# Altium PCB PCB.PcbDoc (part 1 of 3) (continued)
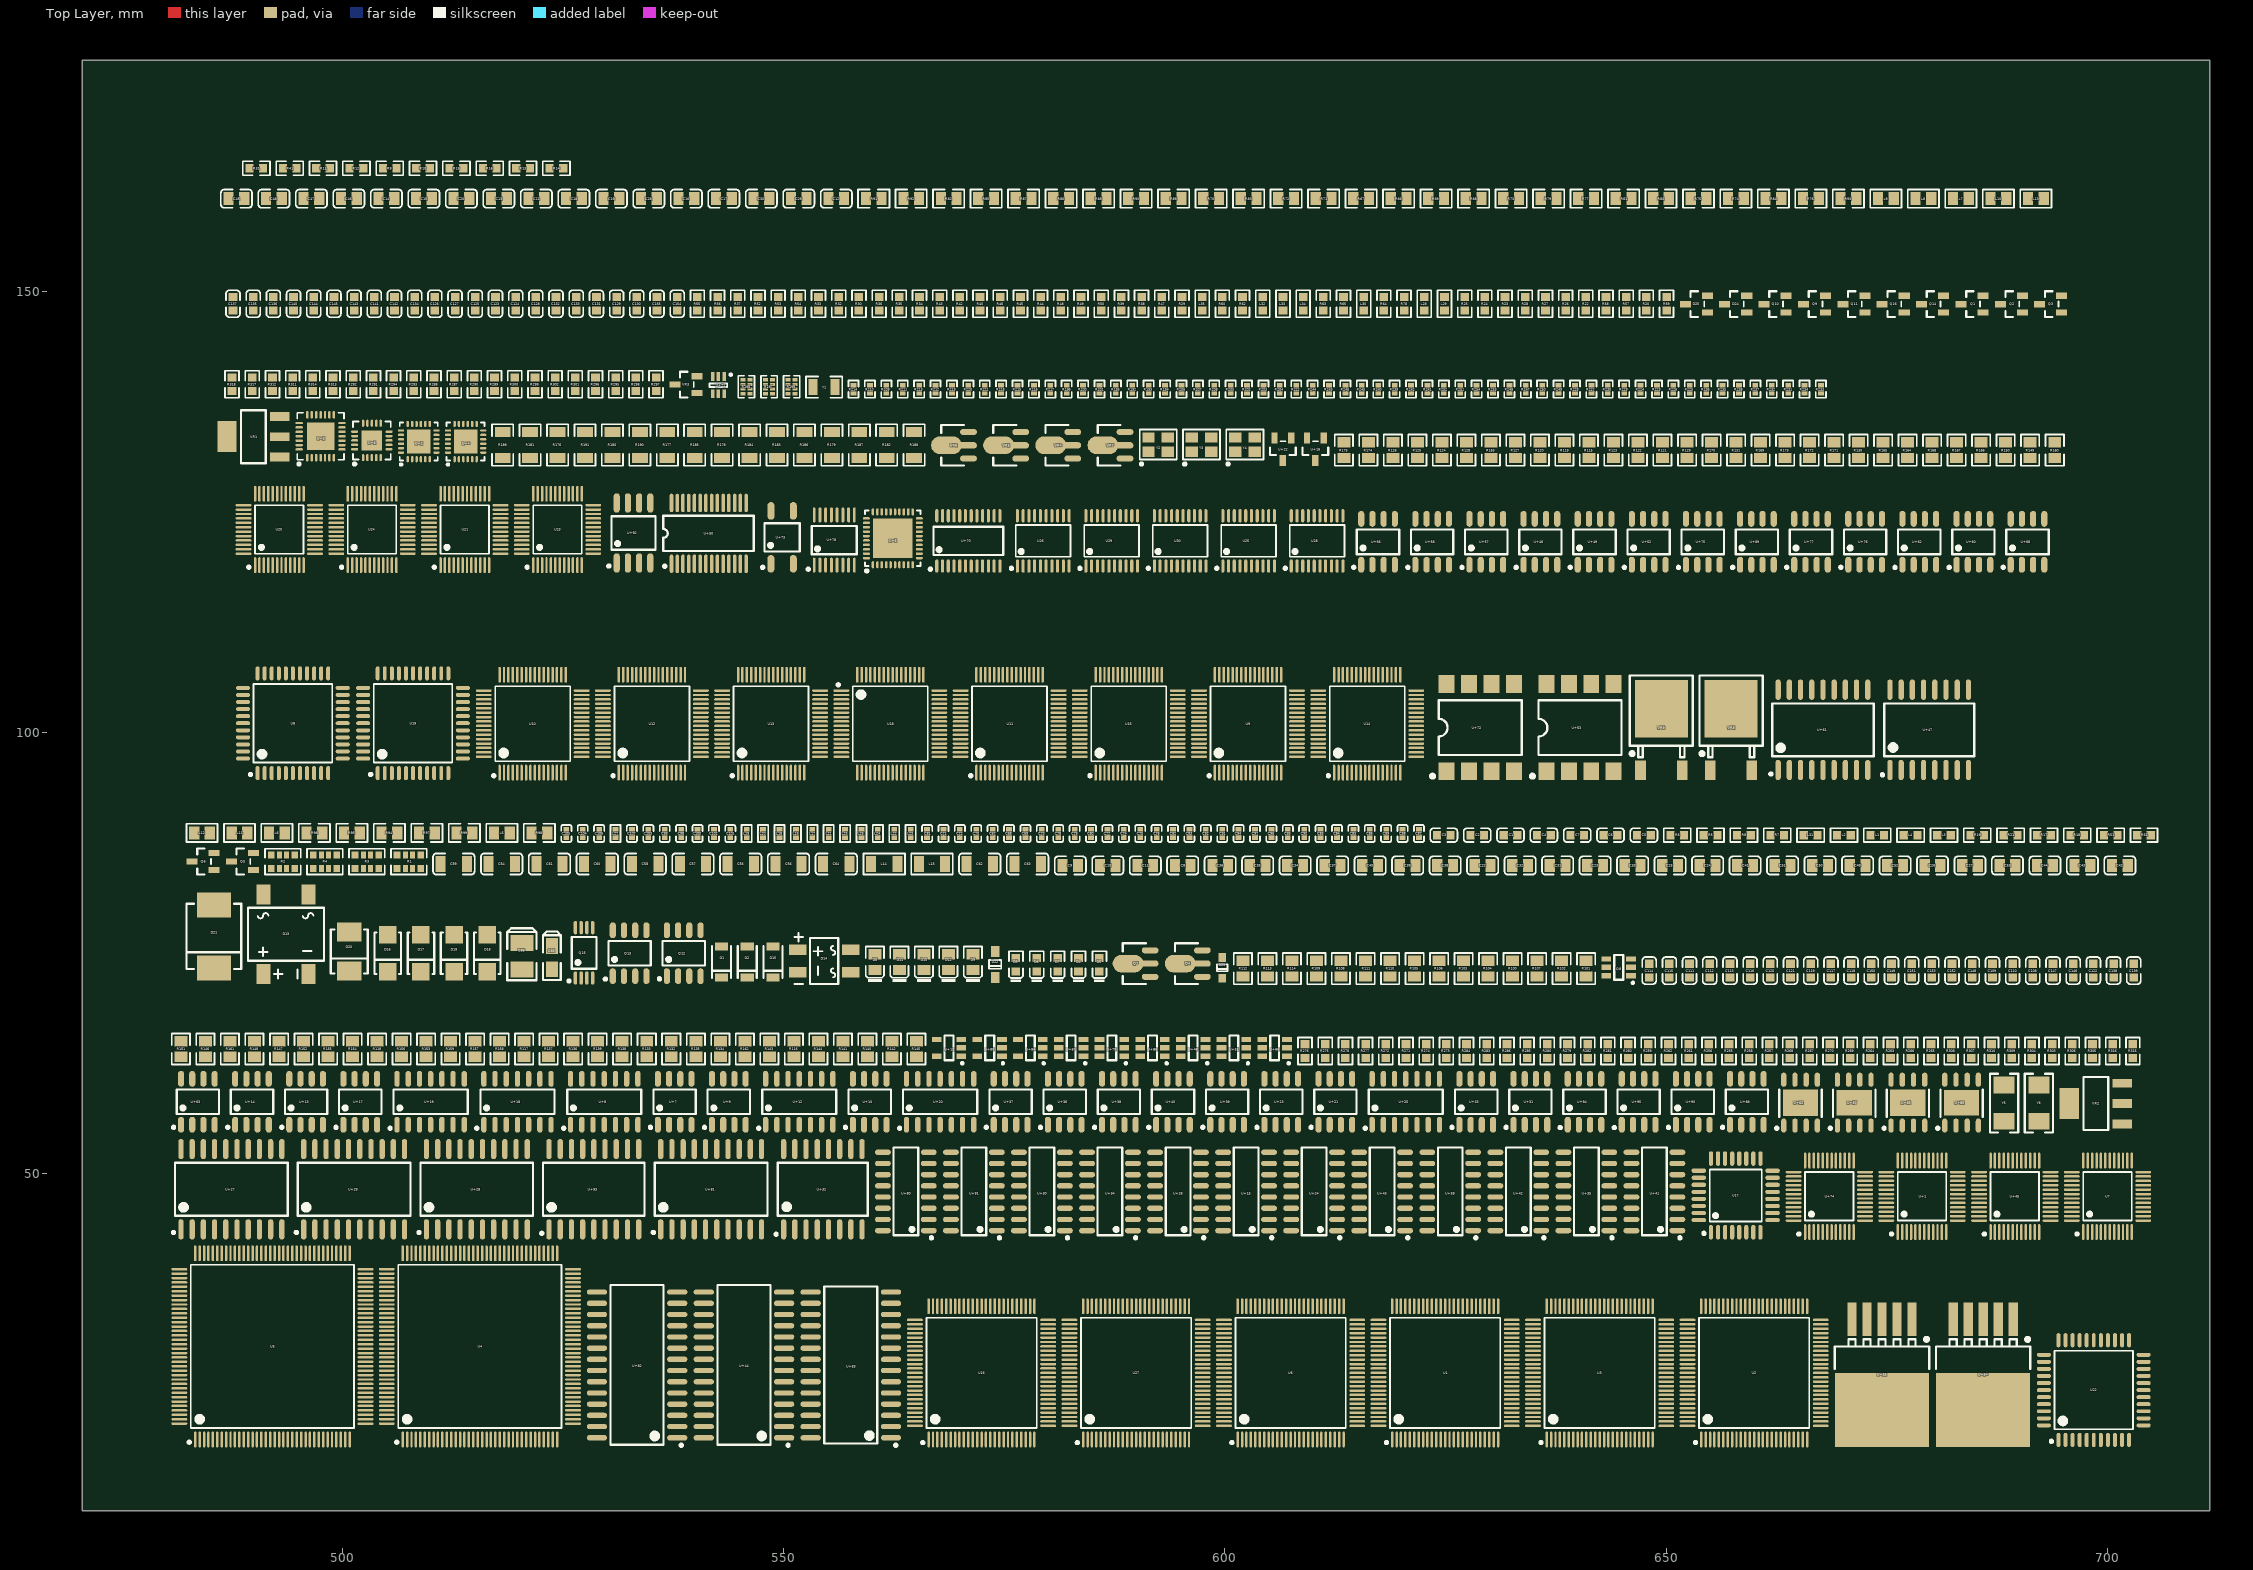
[diagram p0: Top Layer view]
## Components (designator, comment, footprint, x,y, rotation, side; value= is the part's Value field where it differs from the comment) (continued)
R56 "75KΩ (7502) ±1%" LC-0603_R 542.511,148.574 r90 top
R57 "75Ω (75R0) ±1%" LC-0603_R 645.471,148.574 r90 top
R58 "8.2KΩ (8201) ±1%" LC-0603_R 643.183,148.574 r90 top
R59 "820Ω (8200) ±1%" LC-0603_R 650.047,148.574 r90 top
R60 "82KΩ (8202) ±1%" LC-0603_R 599.711,148.574 r90 top
R61 "82Ω (82R0) ±1%" LC-0603_R 704.146,88.357 r0 top
R62 "9.1KΩ (9101) ±1%" LC-0603_R 601.999,148.574 r90 top
R63 "910Ω (9100) ±1%" LC-0603_R 611.151,148.574 r90 top
R64 "91KΩ (9102) ±1%" LC-0603_R 618.015,148.574 r90 top
R65 "91Ω (91R0) ±1%" LC-0603_R 613.439,148.574 r90 top
R66 "0Ω (0R0) ±1%" LC-0805_R 619.68,160.485 r0 top
R67 "1.2KΩ (1201) ±1%" LC-0805_R 615.432,160.485 r0 top
R68 "1.2MΩ (1204) ±1%" LC-0805_R 628.176,160.485 r0 top
R69 "1.5KΩ (1501) ±1%" LC-0805_R 623.928,160.485 r0 top
R70 "1.5MΩ (1504) ±1%" LC-0805_R 598.44,160.485 r0 top
R71 "1.8KΩ (1801) ±1%" LC-0805_R 611.184,160.485 r0 top
R72 "1.8MΩ (1804) ±1%" LC-0805_R 606.936,160.485 r0 top
R73 "100KΩ (1003) ±1%" LC-0805_R 632.424,160.485 r0 top
R74 "100Ω (1000) ±1%" LC-0805_R 657.912,160.485 r0 top
R75 "10KΩ (1002) ±1%" LC-0805_R 653.664,160.485 r0 top
R76 "10MΩ (1005) ±1%" LC-0805_R 666.408,160.485 r0 top
R77 "10Ω (10R0) ±1%" LC-0805_R 640.92,160.485 r0 top
R78 "30KΩ (3002) ±1%" LC-0603_R 620.303,148.574 r90 top
R79 "110KΩ (1103) ±1%" LC-0805_R 636.672,160.485 r0 top
R80 "11KΩ (1102) ±1%" LC-0805_R 649.416,160.485 r0 top
R81 "120KΩ (1203) ±1%" LC-0805_R 645.168,160.485 r0 top
R82 "120Ω (1200) ±1%" LC-0805_R 568.704,160.485 r0 top
R83 "12KΩ (1202) ±1%" LC-0805_R 602.688,160.485 r0 top
R84 "13KΩ (1302) ±1%" LC-0805_R 662.16,160.485 r0 top
R85 "150KΩ (1503) ±1%" LC-0805_R 572.952,160.485 r0 top
R86 "150Ω (1500) ±1%" LC-0805_R 581.448,160.485 r0 top
R87 "15KΩ (1502) ±1%" LC-0805_R 577.2,160.485 r0 top
R88 "15Ω (15R0) ±1%" LC-0805_R 585.696,160.485 r0 top
R89 "16KΩ (1602) ±1%" LC-0805_R 594.192,160.485 r0 top
R90 "180KΩ (1803) ±1%" LC-0805_R 589.944,160.485 r0 top
R91 "180Ω (1800) ±1%" LC-0805_R 560.208,160.485 r0 top
R92 "18KΩ (1802) ±1%" LC-0805_R 564.456,160.485 r0 top
R93 "1KΩ (1001) ±1%" LC-0805_R 670.656,160.485 r0 top
R94 "1MΩ (1004) ±1%" LC-0805_R 505.329,88.602 r0 top
R95 "1Ω (1R00) ±1%" LC-0805_R 501.081,88.602 r0 top
R96 "2.2KΩ (2201) ±1%" LC-0805_R 496.833,88.602 r0 top
R97 "2.2MΩ (2204) ±1%" LC-0805_R 509.577,88.602 r0 top
R98 "2.2Ω (2R20) ±1%" LC-0805_R 522.321,88.602 r0 top
R99 "2.4KΩ (2401) ±1%" LC-0805_R 513.825,88.602 r0 top
R100 "2.7KΩ (2701) ±1%" LC-0805_R 632.599,73.244 r90 top
R101 "200KΩ (2003) ±1%" LC-0805_R 640.933,73.244 r90 top
R102 "200Ω (2000) ±1%" LC-0805_R 638.155,73.244 r90 top
R103 "20KΩ (2002) ±1%" LC-0805_R 627.043,73.244 r90 top
R104 "20Ω (20R0) ±1%" LC-0805_R 629.821,73.244 r90 top
R105 "220KΩ (2203) ±1%" LC-0805_R 621.487,73.244 r90 top
R106 "220Ω (2200) ±1%" LC-0805_R 624.265,73.244 r90 top
R107 "22KΩ (2202) ±1%" LC-0805_R 635.377,73.244 r90 top
R108 "22Ω (22R0) ±1%" LC-0805_R 613.153,73.244 r90 top
R109 "240KΩ (2403) ±1%" LC-0805_R 610.375,73.244 r90 top
R110 "240Ω (2400) ±1%" LC-0805_R 618.709,73.244 r90 top
R111 "24KΩ (2402) ±1%" LC-0805_R 615.931,73.244 r90 top
R112 "270KΩ (2703) ±1%" LC-0805_R 602.041,73.244 r90 top
R113 "270Ω (2700) ±1%" LC-0805_R 604.819,73.244 r90 top
R114 "27KΩ (2702) ±1%" LC-0805_R 607.597,73.244 r90 top
R115 "27Ω (27R0) ±1%" LC-0805_R 641.25,131.979 r90 top
R116 "2KΩ (2001) ±1%" LC-0805_R 551.153,64.125 r90 top
R117 "2MΩ (2004) ±1%" LC-0805_R 520.595,64.125 r90 top
R118 "2Ω (2R00) ±1%" LC-0805_R 503.927,64.125 r90 top
R119 "3.3KΩ (3301) ±1%" LC-0805_R 638.472,131.979 r90 top
R120 "3.6KΩ (3601) ±1%" LC-0805_R 635.694,131.979 r90 top
R121 "3.9KΩ (3901) ±1%" LC-0805_R 649.584,131.979 r90 top
R122 "300KΩ (3003) ±1%" LC-0805_R 646.806,131.979 r90 top
R123 "300Ω (3000) ±1%" LC-0805_R 644.028,131.979 r90 top
R124 "330KΩ (3303) ±1%" LC-0805_R 624.582,131.979 r90 top
R125 "330Ω (3300) ±1%" LC-0805_R 621.804,131.979 r90 top
R126 "33KΩ (3302) ±1%" LC-0805_R 619.026,131.979 r90 top
R127 "33Ω (33R0) ±1%" LC-0805_R 632.916,131.979 r90 top
R128 "36KΩ (3602) ±1%" LC-0805_R 627.36,131.979 r90 top
R129 "390KΩ (3903) ±1%" LC-0805_R 652.362,131.979 r90 top
R130 "390Ω (3900) ±1%" LC-0805_R 671.808,131.979 r90 top
R131 "39KΩ (3902) ±1%" LC-0805_R 657.918,131.979 r90 top
R132 "3KΩ (3001) ±1%" LC-0805_R 537.263,64.125 r90 top
R133 "3MΩ (305) ±5%" LC-0805_R 534.485,64.125 r90 top
R134 "4.3KΩ (4301) ±1%" LC-0805_R 542.819,64.125 r90 top
R135 "4.7KΩ (4701) ±1%" LC-0805_R 540.041,64.125 r90 top
R136 "4.7MΩ (4704) ±1%" LC-0805_R 526.151,64.125 r90 top
R137 "4.7Ω (4R70) ±1%" LC-0805_R 523.373,64.125 r90 top
R138 "4.99KΩ (4991) ±1%" LC-0805_R 531.707,64.125 r90 top
R139 "40.2KΩ (4022) ±1%" LC-0805_R 528.929,64.125 r90 top
R140 "43KΩ (4302) ±1%" LC-0805_R 559.487,64.125 r90 top
R141 "470KΩ (4703) ±1%" LC-0805_R 556.709,64.125 r90 top
R142 "470Ω (4700) ±1%" LC-0805_R 562.265,64.125 r90 top
R143 "47KΩ (4702) ±1%" LC-0805_R 548.375,64.125 r90 top
R144 "47Ω (47R0) ±1%" LC-0805_R 553.931,64.125 r90 top
R145 "49.9KΩ (4992) ±1%" LC-0805_R 565.043,64.125 r90 top
R146 "49.9Ω (49R9) ±1%" LC-0805_R 484.481,64.125 r90 top
R147 "5.1KΩ (5101) ±1%" LC-0805_R 492.815,64.125 r90 top
R148 "5.1MΩ (5104) ±1%" LC-0805_R 490.037,64.125 r90 top
R149 "5.1Ω (5R10) ±1%" LC-0805_R 691.254,131.979 r90 top
R150 "5.6KΩ (5601) ±1%" LC-0805_R 688.476,131.979 r90 top
R151 "510KΩ (5103) ±1%" LC-0805_R 481.703,64.125 r90 top
R152 "510Ω (5100) ±1%" LC-0805_R 495.593,64.125 r90 top
R153 "51KΩ (5102) ±1%" LC-0805_R 509.483,64.125 r90 top
R154 "51Ω (51R0) ±1%" LC-0805_R 501.149,64.125 r90 top
R155 "560KΩ (5603) ±1%" LC-0805_R 498.371,64.125 r90 top
R156 "560Ω (5600) ±1%" LC-0805_R 506.705,64.125 r90 top
R157 "56KΩ (5602) ±1%" LC-0805_R 515.039,64.125 r90 top
R158 "56Ω (56R0) ±1%" LC-0805_R 517.817,64.125 r90 top
R159 "6.2KΩ (6201) ±1%" LC-0805_R 512.261,64.125 r90 top
R160 "6.8KΩ (6801) ±1%" LC-0805_R 694.032,131.979 r90 top
R161 "62KΩ (6202) ±1%" LC-0805_R 487.259,64.125 r90 top
R162 "680KΩ (6803) ±1%" LC-0805_R 545.597,64.125 r90 top
R163 "680Ω (6800) ±1%" LC-0805_R 630.138,131.979 r90 top
R164 "68KΩ (6802) ±1%" LC-0805_R 677.364,131.979 r90 top
R165 "68Ω (68R0) ±1%" LC-0805_R 674.586,131.979 r90 top
R166 "7.5KΩ (7501) ±1%" LC-0805_R 685.698,131.979 r90 top
R167 "750Ω (7500) ±1%" LC-0805_R 682.92,131.979 r90 top
R168 "75KΩ (7502) ±1%" LC-0805_R 680.142,131.979 r90 top
R169 "75Ω (75R0) ±1%" LC-0805_R 660.696,131.979 r90 top
R170 "8.2KΩ (8201) ±1%" LC-0805_R 655.14,131.979 r90 top
R171 "820Ω (8200) ±1%" LC-0805_R 669.03,131.979 r90 top
R172 "82KΩ (8202) ±1%" LC-0805_R 666.252,131.979 r90 top
R173 "82Ω (82R0) ±1%" LC-0805_R 663.474,131.979 r90 top
R174 "9.1KΩ (9101) ±1%" LC-0805_R 616.248,131.979 r90 top
R175 "91KΩ (9102) ±1%" LC-0805_R 613.47,131.979 r90 top
R176 "0.1Ω (R100) ±1%" LC-1206_R 524.381,132.564 r90 top
R177 "0Ω (0R0) ±1%" LC-1206_R 536.813,132.564 r90 top
R178 "1.2MΩ (1204) ±1%" LC-1206_R 543.029,132.564 r90 top
R179 "100KΩ (1003) ±1%" LC-1206_R 555.461,132.564 r90 top
R180 "100Ω (1000) ±1%" LC-1206_R 530.597,132.564 r90 top
R181 "10KΩ (1002) ±1%" LC-1206_R 521.273,132.564 r90 top
R182 "10Ω (10R0) ±1%" LC-1206_R 561.677,132.564 r90 top
R183 "180Ω (1800) ±1%" LC-1206_R 549.245,132.564 r90 top
R184 "1KΩ (1001) ±1%" LC-1206_R 546.137,132.564 r90 top
R185 "1Ω (1R00) ±1%" LC-1206_R 539.921,132.564 r90 top
R186 "20Ω (20R0) ±1%" LC-1206_R 552.353,132.564 r90 top
R187 "22Ω (22R0) ±1%" LC-1206_R 558.569,132.564 r90 top
R188 "2KΩ (2001) ±1%" LC-1206_R 564.785,132.564 r90 top
R189 "300Ω (3000) ±1%" LC-1206_R 518.165,132.564 r90 top
R190 "4.7KΩ (4701) ±1%" LC-1206_R 533.705,132.564 r90 top
R191 "750Ω (7500) ±1%" LC-1206_R 527.489,132.564 r90 top
R192 "0Ω (0R0) ±1%" LC-0402_R 589.503,138.895 r90 top
R193 "1.2KΩ (1201) ±1%" LC-0402_R 591.361,138.895 r90 top
R194 "1.5KΩ (1501) ±1%" LC-0402_R 593.219,138.895 r90 top
R195 "100KΩ (1003) ±1%" LC-0402_R 587.645,138.895 r90 top
R196 "100Ω (1000) ±1%" LC-0402_R 582.071,138.895 r90 top
R197 "10KΩ (103) ±5%" LC-0402_Rx4 548.343,139.17 r90 top
R198 "1KΩ (102) ±5%" LC-0402_Rx4 545.785,139.17 r90 top
R199 "33Ω (330) ±5%" LC-0402_Rx4 550.901,139.17 r90 top
R200 "10KΩ (1002) ±1%" LC-0402_R 583.929,138.895 r90 top
R201 "10MΩ (1005) ±1%" LC-0402_R 585.787,138.895 r90 top
R202 "10Ω (10R0) ±1%" LC-0402_R 602.509,138.895 r90 top
R203 "120KΩ (1203) ±1%" LC-0402_R 604.367,138.895 r90 top
R204 "120Ω (1200) ±1%" LC-0402_R 606.225,138.895 r90 top
R205 "12KΩ (1202) ±1%" LC-0402_R 600.651,138.895 r90 top
R206 "150KΩ (1503) ±1%" LC-0402_R 595.077,138.895 r90 top
R207 "150Ω (1500) ±1%" LC-0402_R 596.935,138.895 r90 top
R208 "15KΩ (1502) ±1%" LC-0402_R 598.793,138.895 r90 top
R209 "18KΩ (1802) ±1%" LC-0402_R 561.633,138.895 r90 top
R210 "1KΩ (1001) ±1%" LC-0402_R 559.775,138.895 r90 top
R211 "1MΩ (1004) ±1%" LC-0402_R 563.491,138.895 r90 top
R212 "1Ω (1R00) ±1%" LC-0402_R 567.207,138.895 r90 top
R213 "2.2KΩ (2201) ±1%" LC-0402_R 565.349,138.895 r90 top
R214 "2.4KΩ (2401) ±1%" LC-0402_R 557.917,138.895 r90 top
R215 "200KΩ (2003) ±1%" LC-0402_R 576.497,138.895 r90 top
R216 "200Ω (2000) ±1%" LC-0402_R 578.355,138.895 r90 top
R217 "20KΩ (2002) ±1%" LC-0402_R 580.213,138.895 r90 top
R218 "220KΩ (2203) ±1%" LC-0402_R 574.639,138.895 r90 top
R219 "220Ω (2200) ±1%" LC-0402_R 569.065,138.895 r90 top
R220 "22KΩ (2202) ±1%" LC-0402_R 570.923,138.895 r90 top
R221 "22Ω (22R0) ±1%" LC-0402_R 572.781,138.895 r90 top
R222 "24KΩ (2402) ±1%" LC-0402_R 608.083,138.895 r90 top
R223 "27KΩ (2702) ±1%" LC-0402_R 648.959,138.895 r90 top
R224 "2KΩ (2001) ±1%" LC-0402_R 647.101,138.895 r90 top
R225 "3.3KΩ (3301) ±1%" LC-0402_R 652.675,138.895 r90 top
R226 "3.9KΩ(3901) ±1%" LC-0402_R 650.817,138.895 r90 top
R227 "300KΩ (3003) ±1%" LC-0402_R 641.527,138.895 r90 top
R228 "300Ω (3000) ±1%" LC-0402_R 639.669,138.895 r90 top
R229 "330KΩ (3303) ±1%" LC-0402_R 645.243,138.895 r90 top
R230 "330Ω (3300) ±1%" LC-0402_R 643.385,138.895 r90 top
R231 "33KΩ (3302) ±1%" LC-0402_R 663.823,138.895 r90 top
R232 "33Ω (33R0) ±1%" LC-0402_R 661.965,138.895 r90 top
R233 "39KΩ (3902) ±1%" LC-0402_R 667.539,138.895 r90 top
R234 "4.7KΩ (4701) ±1%" LC-0402_R 665.681,138.895 r90 top
R235 "470KΩ (4703) ±1%" LC-0402_R 656.391,138.895 r90 top
R236 "470Ω (4700) ±1%" LC-0402_R 654.533,138.895 r90 top
R237 "47KΩ (4702) ±1%" LC-0402_R 660.107,138.895 r90 top
R238 "47Ω (47R0) ±1%" LC-0402_R 658.249,138.895 r90 top
R239 "49.9KΩ (4992) ±1%" LC-0402_R 619.231,138.895 r90 top
R240 "49.9Ω (49R9) ±1%" LC-0402_R 617.373,138.895 r90 top
R241 "5.1KΩ (5101) ±1%" LC-0402_R 622.947,138.895 r90 top
R242 "5.6KΩ (5601) ±1%" LC-0402_R 621.089,138.895 r90 top
R243 "510KΩ (5103) ±1%" LC-0402_R 611.799,138.895 r90 top
R244 "510Ω (5100) ±1%" LC-0402_R 609.941,138.895 r90 top
R245 "51KΩ (5102) ±1%" LC-0402_R 615.515,138.895 r90 top
R246 "51Ω (51R0) ±1%" LC-0402_R 613.657,138.895 r90 top
R247 "56KΩ (5602) ±1%" LC-0402_R 634.095,138.895 r90 top
R248 "6.8KΩ (6801) ±1%" LC-0402_R 632.237,138.895 r90 top
R249 "680Ω (6800) ±1%" LC-0402_R 637.811,138.895 r90 top
R250 "68KΩ (6802) ±1%" LC-0402_R 635.953,138.895 r90 top
R251 "7.5KΩ (7501) ±1%" LC-0402_R 626.663,138.895 r90 top
R252 "75KΩ (7502) ±1%" LC-0402_R 624.805,138.895 r90 top
R253 "75Ω (75R0) ±1%" LC-0402_R 630.379,138.895 r90 top
R254 "8.2KΩ (8201) ±1%" LC-0402_R 628.521,138.895 r90 top
R255 "0Ω (0R0) ±1%" LC-0603_R 657.125,63.89 r90 top
R256 "1.1KΩ (1101) ±1%" LC-0603_R 654.837,63.89 r90 top
R257 "1.2KΩ (1201) ±1%" LC-0603_R 661.701,63.89 r90 top
R258 "1.2MΩ (1204) ±1%" LC-0603_R 659.413,63.89 r90 top
R259 "1.5KΩ (1501) ±1%" LC-0603_R 647.973,63.89 r90 top
R260 "1.5MΩ (1504) ±1%" LC-0603_R 645.685,63.89 r90 top
R261 "1.8KΩ (1801) ±1%" LC-0603_R 652.549,63.89 r90 top
R262 "1.8MΩ (1804) ±1%" LC-0603_R 650.261,63.89 r90 top
R263 "100KΩ (1003) ±1%" LC-0603_R 675.429,63.89 r90 top
R264 "100Ω (1000) ±1%" LC-0603_R 673.141,63.89 r90 top
R265 "10KΩ (1002) ±1%" LC-0603_R 680.005,63.89 r90 top
R266 "10MΩ (1005) ±1%" LC-0603_R 677.717,63.89 r90 top
R267 "10Ω (10R0) ±1%" LC-0603_R 666.277,63.89 r90 top
R268 "110KΩ (1103) ±1%" LC-0603_R 663.989,63.89 r90 top
R269 "110Ω (1100) ±1%" LC-0603_R 670.853,63.89 r90 top
R270 "11KΩ (1102) ±1%" LC-0603_R 668.565,63.89 r90 top
R271 "120KΩ (1203) ±1%" LC-0603_R 620.517,63.89 r90 top
R272 "120Ω (1200) ±1%" LC-0603_R 618.229,63.89 r90 top
R273 "12KΩ (1202) ±1%" LC-0603_R 625.093,63.89 r90 top
R274 "130KΩ (1303) ±1%" LC-0603_R 622.805,63.89 r90 top
R275 "130Ω (1300) ±1%" LC-0603_R 611.365,63.89 r90 top
R276 "13KΩ (1302) ±1%" LC-0603_R 609.077,63.89 r90 top
R277 "150KΩ (1503) ±1%" LC-0603_R 615.941,63.89 r90 top
R278 "150Ω (1500) ±1%" LC-0603_R 613.653,63.89 r90 top
R279 "15KΩ (1502) ±1%" LC-0603_R 638.821,63.89 r90 top
R280 "15Ω (15R0) ±1%" LC-0603_R 636.533,63.89 r90 top
R281 "160KΩ (1603) ±1%" LC-0603_R 643.397,63.89 r90 top
R282 "160Ω (1600) ±1%" LC-0603_R 641.109,63.89 r90 top
R283 "16KΩ (1602) ±1%" LC-0603_R 629.669,63.89 r90 top
R284 "180KΩ (1803) ±1%" LC-0603_R 627.381,63.89 r90 top
R285 "180Ω (1800) ±1%" LC-0603_R 634.245,63.89 r90 top
R286 "18KΩ (1802) ±1%" LC-0603_R 631.957,63.89 r90 top
R287 "1KΩ (1001) ±1%" LC-0603_R 512.663,139.455 r90 top
R288 "1MΩ (1004) ±1%" LC-0603_R 510.375,139.455 r90 top
R289 "1Ω (1R00) ±1%" LC-0603_R 517.239,139.455 r90 top
R290 "2.2KΩ (2201) ±1%" LC-0603_R 514.951,139.455 r90 top
R291 "2.2MΩ (2204) ±1%" LC-0603_R 503.511,139.455 r90 top
R292 "2.2Ω (2R20) ±1%" LC-0603_R 501.223,139.455 r90 top
R293 "2.4KΩ (2401) ±1%" LC-0603_R 508.087,139.455 r90 top
R294 "2.7KΩ (2701) ±1%" LC-0603_R 505.799,139.455 r90 top
R295 "200KΩ (2003) ±1%" LC-0603_R 530.967,139.455 r90 top
R296 "200Ω (2000) ±1%" LC-0603_R 528.679,139.455 r90 top
R297 "20KΩ (2002) ±1%" LC-0603_R 535.543,139.455 r90 top
R298 "20Ω (20R0) ±1%" LC-0603_R 533.255,139.455 r90 top
R299 "220KΩ (2203) ±1%" LC-0603_R 521.815,139.455 r90 top
R300 "220Ω (2200) ±1%" LC-0603_R 519.527,139.455 r90 top
R301 "22KΩ (2202) ±1%" LC-0603_R 526.391,139.455 r90 top
R302 "22Ω (22R0) ±1%" LC-0603_R 524.103,139.455 r90 top
R303 "240KΩ (2403) ±1%" LC-0603_R 693.733,63.89 r90 top
R304 "240Ω (2400) ±1%" LC-0603_R 691.445,63.89 r90 top
R305 "24KΩ (2402) ±1%" LC-0603_R 698.309,63.89 r90 top
R306 "24Ω (24R0) ±1%" LC-0603_R 696.021,63.89 r90 top
R307 "270KΩ (2703) ±1%" LC-0603_R 684.581,63.89 r90 top
R308 "270Ω (2700) ±1%" LC-0603_R 682.293,63.89 r90 top
R309 "27KΩ (2702) ±1%" LC-0603_R 689.157,63.89 r90 top
R310 "27Ω (27R0) ±1%" LC-0603_R 686.869,63.89 r90 top
R311 "2KΩ (2001) ±1%" LC-0603_R 494.359,139.455 r90 top
R312 "2MΩ (2004) ±1%" LC-0603_R 492.071,139.455 r90 top
R313 "2Ω (2R00) ±1%" LC-0603_R 498.935,139.455 r90 top
R314 "3.3KΩ (3301) ±1%" LC-0603_R 496.647,139.455 r90 top
R315 "3.6KΩ (3601) ±1%" LC-0603_R 702.885,63.89 r90 top
R316 "3.9KΩ (3901) ±1%" LC-0603_R 700.597,63.89 r90 top
R317 "300KΩ (3003) ±1%" LC-0603_R 489.783,139.455 r90 top
R318 "300Ω (3000) ±1%" LC-0603_R 487.495,139.455 r90 top
U1 "STM32F103VBT6" LC-LQFP-100_14x14x05P 624.95,27.424 r0 top
U2 "STM32F103VCT6" LC-LQFP-100_14x14x05P 659.97,27.424 r0 top
U3 "STM32F103VET6" LC-LQFP-100_14x14x05P 642.46,27.424 r0 top
U4 "STM32F429ZGT6" LC-LQFP-144_20x20x05P 515.578,30.424 r0 top
U5 "STM32F103ZET6" LC-LQFP-144_20x20x05P 492.069,30.424 r0 top
U6 "STM32F107VCT6" LC-LQFP-100_14x14x05P 607.441,27.424 r0 top
U7 "STM8S105C6T6" LC-LQFP-48_7x7x05P 700.016,47.433 r0 top
U8 "STC15F2K60S2-28I-LQFP44G" LC-LQFP-44_10x10x08P 494.387,101.04 r0 top
U9 "STM8S207R8T6" LC-LQFP-64_10x10x05P 602.616,100.989 r0 top
U10 "STM32F103R8T6" LC-LQFP-64_10x10x05P 521.559,100.989 r0 top
U11 "STM32F103RBT6" LC-LQFP-64_10x10x05P 575.597,100.989 r0 top
U12 "STM32F103RCT6" LC-LQFP-64_10x10x05P 535.068,100.989 r0 top
U13 "STM32F103RET6" LC-LQFP-64_10x10x05P 548.578,100.989 r0 top
U14 "STM8L152R8T6" LC-LQFP-64_10x10x05P 616.126,100.989 r0 top
U15 "STM32F405RGT6" LC-LQFP-64_10x10x05P 589.107,100.989 r0 top
U16 "STM32F407VET6" LC-LQFP-100_14x14x05P 572.422,27.424 r0 top
U17 "STM8S105K6T6C" LC-LQFP-32_7x7x08P 657.877,47.534 r0 top
U18 "MSP430F149IPMRG4" LC-LQFP-64_10x10x05P_Q2 562.088,100.989 r0 top
U19 "STC89C52RC-40I" LC-LQFP-44_10x10x08P 507.998,101.04 r0 top
U20 "STM32F103C8T6" LC-LQFP-48_7x7x05P 492.848,122.998 r0 top
U21 "STM32F030C8T6" LC-LQFP-48_7x7x05P 513.867,122.998 r0 top
U22 "STC12C5A60S2-35I" LC-LQFP-44_10x10x08P 698.454,25.475 r0 top
U23 "STM32F103CBT6" LC-LQFP-48_7x7x05P 524.377,122.998 r0 top
U24 "STM32L151C8T6" LC-LQFP-48_7x7x05P 503.357,122.998 r0 top
U25 "STM8L101F3P6" LC-TSSOP-20 602.685,121.699 r0 top
U26 "STM32F030F4P6" LC-TSSOP-20 579.411,121.699 r0 top
U27 "STM32F407VGT6" LC-LQFP-100_14x14x05P 589.931,27.424 r0 top
U28 "STM8S103F3P6" LC-TSSOP-20 610.443,121.699 r0 top
U29 "STM8L051F3P6TR" LC-TSSOP-20 587.169,121.699 r0 top
U30 "STM8S003F3P6" LC-TSSOP-20 594.927,121.699 r0 top
U+1 "HT1621B" LC-LQFP-48_7x7x05P 678.997,47.433 r0 top
U+2 "MPU-6050" LC-QFN-24_4x4x05P 508.646,132.959 r0 top
U+3 "CP2102-GMR" LC-QFN-28_5x5x05P 497.527,133.559 r0 top
U+4 "CP2104-F03-GM" LC-QFN-24_4x4x05P 513.956,132.959 r0 top
U+5 "CC2530F256RHAT" LC-QFN-40_6x6x05P 562.368,121.998 r0 top
U+6 "NRF24L01P-R" LC-QFN-20_4x4x05P 503.337,133.084 r0 top
U+7 "LM2904DR2G" LC-SOIC-8_150mil 537.649,58.145 r0 top
U+8 "LM324DT" LC-SOIC-14_150mil 529.666,58.145 r0 top
U+9 "LM358DR2G" LC-SOIC-8_150mil 543.782,58.145 r0 top
U+10 "LM393DR2G" LC-SOIC-8_150mil 559.748,58.145 r0 top
U+11 "LMV321IDBVRG4" LC-SOT-23-5 568.738,64.255 r0 top
U+12 "LMV324IDR" LC-SOIC-14_150mil 551.765,58.145 r0 top
U+13 "MCP6002T-I/SN" LC-SOIC-8_150mil 495.884,58.145 r0 top
U+14 "NE5532DR" LC-SOIC-8_150mil 489.751,58.145 r0 top
U+15 "CH340G" LC-SOIC-16_150mil 602.399,47.983 r90 top
U+16 "PSM712-LF-T7" LC-SOT-23(SOT-23-3) 610.24,132.085 r90 top
U+17 "SN75176BDR" LC-SOIC-8_150mil 502.017,58.145 r0 top
U+18 "74HC04D" LC-SOIC-14_150mil 519.833,58.145 r0 top
U+19 "74HC08D" LC-SOIC-14_150mil 510,58.145 r0 top
U+20 "74HC14D" LC-SOIC-14_150mil 567.731,58.145 r0 top
U+21 "AD620ARZ-REEL" LC-SOIC-8_150mil 612.512,58.145 r0 top
U+22 "CJ431 0.5%431" LC-SOT-23(SOT-23-3) 606.558,132.085 r90 top
U+23 "OP07CDR" LC-SOIC-8_150mil 606.379,58.145 r0 top
U+24 "74HC138D" LC-SOIC-16_150mil 610.11,47.983 r90 top
U+25 "74HC164D" LC-SOIC-14_150mil 620.495,58.145 r0 top
U+26 "74HC165D" LC-SOIC-16_150mil 594.687,47.983 r90 top
U+27 "74HC244D" LC-SOIC-20_300mil 487.418,48.234 r0 top
U+28 "74HC245D" LC-SOIC-20_300mil 515.234,48.234 r0 top
U+29 "74HC573D" LC-SOIC-20_300mil 501.326,48.234 r0 top
U+30 "74HC595D" LC-SOIC-16_150mil 579.265,47.983 r90 top
U+31 "ACS712ELCTR-20A-T" LC-SOIC-8_150mil 634.611,58.145 r0 top
U+32 "ADM2483BRWZ" LC-SOIC-16_300mil 554.438,48.234 r0 top
U+33 "ADUM1201ARZ-RL7" LC-SOIC-8_150mil 628.478,58.145 r0 top
U+34 "AM26LS31CDRG4" LC-SOIC-16_150mil 586.976,47.983 r90 top
U+35 "AM26LS32ACDRG4" LC-SOIC-16_150mil 640.955,47.983 r90 top
U+36 "CAN/PCA82C250T/YM" LC-SOIC-8_150mil 581.847,58.145 r0 top
U+37 "CAN/SN65HVD230DR" LC-SOIC-8_150mil 575.714,58.145 r0 top
U+38 "CAN/TJA1040T/CM" LC-SOIC-8_150mil 587.98,58.145 r0 top
U+39 "CAN/TJA1050T/CM" LC-SOIC-8_150mil 600.246,58.145 r0 top
U+40 "CAN/TJA1051T/3" LC-SOIC-8_150mil 594.113,58.145 r0 top
U+41 "CD4051BM96" LC-SOIC-16_150mil 648.666,47.983 r90 top
U+42 "CD4052BM96" LC-SOIC-16_150mil 633.243,47.983 r90 top
U+43 "CD4053BM96" LC-SOIC-16_150mil 617.821,47.983 r90 top
U+44 "CH376S" LC-SOIC-28_300mil 545.5,28.323 r90 top
U+45 "DP83848CVVX" LC-LQFP-48_7x7x05P 689.507,47.433 r0 top
U+46 "DS1302Z+T&R" LC-SOIC-8_150mil 635.75,121.599 r0 top
U+47 "DS3231M+TRL" LC-SOIC-16_300mil 679.805,100.29 r0 top
U+48 "DW01+G" LC-SOT-23-6 596.405,64.255 r0 top
U+49 "EEPROM/AT24C256C-SSHL-T" LC-SOIC-8_150mil 641.883,121.599 r0 top
U+50 "FT232RL-REEL" LC-SSOP-28_208mil 541.516,122.548 r0 top
U+51 "FP6291" LC-SOT-23-6 601.016,64.255 r0 top
U+52 "ICL7660AIBAZA-T" LC-SOIC-8_150mil 648.016,121.599 r0 top
U+53 "ISO1050DUBR" LC-SMD-8_6.3mm 640.243,100.54 r0 top
U+54 "LM2576SX-5.0" LC-TO-263-5 685.917,33.525 r90 top
U+55 "LM2596SX-5.0/NOPB" LC-TO-263-5 674.455,33.525 r90 top
U+56 "LM386MX-1/NOPB" LC-SOIC-8_150mil 617.351,121.599 r0 top
U+57 "M24C02-WMN6TP" LC-SOIC-8_150mil 629.617,121.599 r0 top
U+58 "M24C64-RMN6TP" LC-SOIC-8_150mil 623.484,121.599 r0 top
U+59 "MAX232ESE" LC-SOIC-16_150mil 625.532,47.983 r90 top
U+60 "MC33063ADR2G" LC-SOIC-8_150mil 684.814,121.599 r0 top
U+61 "MCP2515-I/SO" LC-SOIC-18_300mil 667.767,100.29 r0 top
U+62 "MC34063ADR2G" LC-SOIC-8_150mil 678.681,121.599 r0 top
U+63 "MP1482DS" LC-SOIC-8_150mil 483.618,58.145 r0 top
U+64 "MP1584EN-LF-Z" LC-SOIC-8_EP_150mil 665.226,58.045 r0 top
U+65 "MP2303ADN-LF-Z" LC-SOIC-8_EP_150mil 677.392,58.045 r0 top
U+66 "MP2359DJ-LF-Z" LC-SOT-23-6 605.627,64.255 r0 top
U+67 "MP2451DT-LF-Z" LC-SOT-23-6 582.571,64.255 r0 top
U+68 "NE555DR" LC-SOIC-8_150mil 690.947,121.599 r0 top
U+69 "PCF8563T/5,518" LC-SOIC-8_150mil 660.282,121.599 r0 top
U+70 "SN74LVC4245APWRG4" LC-TSSOP-24 570.926,121.699 r0 top
U+71 "SMF05CT1G" LC-SC-70-6(SOT-363) 542.602,139.341 r90 top
U+72 "6N137S(TA)" LC-SMD-8_6.3mm 628.935,100.54 r0 top
U+73 "EL357N(B)(TA)-G" LC-SOP-4_P2.54 549.824,122.099 r90 top
U+74 "W5500" LC-LQFP-48_7x7x05P 668.487,47.433 r0 top
U+75 "TL072CDT" LC-SOIC-8_150mil 654.149,121.599 r0 top
U+76 "SP3485EN-L/TR" LC-SOIC-8_150mil 672.548,121.599 r0 top
U+77 "SP485EEN-L/TR" LC-SOIC-8_150mil 666.415,121.599 r0 top
U+78 "SP3232EEY-L/TR" LC-TSSOP-16 555.732,121.799 r0 top
U+79 "SRV05-4-P-T7" LC-SOT-23-6 587.182,64.255 r0 top
U+80 "TL494CDR" LC-SOIC-16_150mil 563.843,47.983 r90 top
U+81 "TM1620" LC-SOIC-20_300mil 541.78,48.234 r0 top
U+82 "TM1638" LC-SOIC-28_300mil 533.389,28.323 r90 top
U+83 "TM1640" LC-SOP-28_300mil 557.611,28.323 r90 top
U+84 "TP4054" LC-SOT-23-5 577.96,64.255 r0 top
U+85 "TP4056" LC-SOP-8_EP_150mil 683.475,58.045 r0 top
U+86 "TP4057" LC-SOT-23-6 591.794,64.255 r0 top
U+87 "TPS5430DDAR" LC-SOP-8_EP_150mil 671.309,58.045 r0 top
U+88 "TPS54331DR" LC-SOIC-8_150mil 659.143,58.145 r0 top
U+89 "TPS61040DBVRG4" LC-SOT-23-5 573.349,64.255 r0 top
U+90 "UC3843BD1R2G" LC-SOIC-8_150mil 653.01,58.145 r0 top
U+91 "ULN2003AFWG" LC-SOIC-16_150mil 571.554,47.983 r90 top
U+92 "W25Q128FVSIG" LC-SOIC-8_208mil 532.983,122.599 r0 top
U+93 "ULN2803ADW" LC-SOIC-18_300mil 528.492,48.234 r0 top
U+94 "XL1509-5.0E1" LC-SOP-8_150mil 640.744,58.145 r0 top
U+95 "XL1509-ADJE1" LC-SOP-8_150mil 646.877,58.145 r0 top
VR1 "AMS1117-3.3" LC-SOT-223 489.917,133.509 r0 top
VR2 "AMS1117-5.0" LC-SOT-223 698.684,57.944 r0 top
VR3 "XC6206P332MR" LC-SOT-23(SOT-23-3) 538.917,139.407 r0 top
VR4 "78L05G-AB3-R" LC-SOT-89(SOT-89-3) 582.767,132.536 r0 top
VR5 "78L12G-AB3-R" LC-SOT-89(SOT-89-3) 576.856,132.536 r0 top
VR6 "HT7533-1" LC-SOT-89(SOT-89-3) 570.944,132.536 r0 top
VR7 "HT7550-1" LC-SOT-89(SOT-89-3) 588.678,132.536 r0 top
VR8 "L78M05ABDT-TR" LC-TO-252-2-180 657.359,95.69 r90 top
VR9 "LM317AL-TN3-R" LC-TO-252-2-180 649.451,95.69 r90 top
Y1 "32.768KHz ±20ppm 12.5pF" "LC-SMD-3215_2P FC - 135" 554.584,139.12 r0 top
Y2 "12MHZ 20PF 10PPM" LC-SMD-3225_4P 592.439,132.609 r0 top
Y3 "16MHZ 9PF 10PPM" LC-SMD-3225_4P 597.35,132.609 r0 top
Y4 "25MHZ 12PF 10PPM" LC-SMD-3225_4P 602.262,132.609 r0 top
Y5 "11.0592MHZ 20PF 20PPM" LC-SMD-5032_2P 688.285,57.996 r90 top
Y6 "8MHz ±20ppm 20pF" LC-SMD-5032_2P 692.247,57.996 r90 top

## Footprints (in the part's own frame and the unit in brackets; to place one, negate y for a bottom-side part, rotate by r counter-clockwise, add the part's x,y. Pads: shape width x height; smd on the part's side, far side on the other; paste and mask are expansions set on the pad)
LC-0402_C [mm]
  rect 0.6x0.65 smd mask+0.051: 1(-0.425,0) 2(0.425,0)
  silkscreen extent -0.97,-0.58 0.97,0.58, body extent -0.48,-0.3 0.52,0.3, height 0.2
LC-0402_L [mm]
  rect 0.6x0.65 smd mask+0.051: 1(-0.425,0) 2(0.425,0)
  silkscreen extent -0.97,-0.58 0.97,0.58, body extent -0.51,-0.26 0.54,0.26, height 0.36
LC-0402_R [mm]
  rect 0.6x0.65 smd mask+0.051: 1(-0.425,0) 2(0.425,0)
  silkscreen extent -0.97,-0.58 0.97,0.58, body extent -0.57,-0.27 0.58,0.28, height 0.41
LC-0402_Rx4 [mm]
  rect 0.4x0.55 smd mask+0.051: 1(-0.8,-0.4) 4(0.8,-0.4) 5(0.8,0.4) 8(-0.8,0.4)
  rect 0.3x0.55 smd mask+0.051: 2(-0.25,-0.4) 3(0.25,-0.4) 6(0.25,0.4) 7(-0.25,0.4)
  silkscreen extent -1.25,-0.93 1.25,0.92, body extent -1,-0.5 1,0.5, height 0.45
LC-0603_C [mm]
  rect 0.93x0.98 smd: 1(-0.77,0) 2(0.77,0)
  silkscreen extent -1.53,-0.79 1.54,0.79, body extent -0.8,-0.4 0.8,0.4, height 0.3
LC-0603_L [mm]
  rect 0.93x0.98 smd: 1(-0.77,0) 2(0.77,0)
  silkscreen extent -1.53,-0.79 1.54,0.79, body extent -0.82,-0.41 0.83,0.41, height 0.46
LC-0603_LED_S1 [mm]
  rect 0.93x0.98 smd: A(0.77,0) K(-0.77,0)
  silkscreen extent -1.98,-0.79 1.54,0.79, body extent -0.8,-0.4 0.8,0.4, height 0.6
LC-0603_R [mm]
  rect 0.93x0.98 smd: 1(-0.77,0) 2(0.77,0)
  silkscreen extent -1.53,-0.79 1.54,0.79, body extent -0.85,-0.4 0.85,0.4, height 0.56
LC-0603_Rx4 [mm]
  rect 0.75x0.8 smd mask+0.051: 1(-1.35,-0.77) 4(1.35,-0.77) 5(1.35,0.77) 8(-1.35,0.77)
  rect 0.58x0.8 smd mask+0.051: 2(-0.4,-0.77) 3(0.4,-0.77) 6(0.4,0.77) 7(-0.4,0.77)
  silkscreen extent -2.02,-1.47 2.02,1.47, body extent -1.6,-0.8 1.6,0.8, height 0.55
LC-0805_C [mm]
  rect 1.16x1.47 smd: 1(-0.89,0) 2(0.89,0)
  silkscreen extent -1.77,-1.04 1.77,1.04, body extent -1,-0.62 1,0.63, height 0.77
LC-0805_L [mm]
  rect 1.16x1.47 smd: 1(-0.89,0) 2(0.89,0)
  silkscreen extent -1.77,-1.04 1.77,1.03, body extent -1.02,-0.64 1.03,0.64, height 0.6
LC-0805_LED_S1 [mm]
  rect 1.16x1.47 smd: A(0.89,0) K(-0.89,0)
  silkscreen extent -2.24,-1.04 1.77,1.03, body extent -1.01,-0.62 1.01,0.62, height 1.1
LC-0805_R [mm]
  rect 1.16x1.47 smd: 1(-0.89,0) 2(0.89,0)
  silkscreen extent -1.77,-1.04 1.77,1.03, body extent -1,-0.62 1,0.63, height 0.49
LC-1206_C [mm]
  rect 1.13x1.8 smd: 1(-1.49,0) 2(1.49,0)
  silkscreen extent -2.36,-1.2 2.35,1.2, body extent -1.6,-0.81 1.6,0.79, height 1
LC-1206_L [mm]
  rect 1.13x1.8 smd: 1(-1.49,0) 2(1.49,0)
  silkscreen extent -2.36,-1.2 2.35,1.2
LC-1206_R [mm]
  rect 1.13x1.8 smd: 1(-1.49,0) 2(1.49,0)
  silkscreen extent -2.36,-1.2 2.35,1.2, body extent -1.7,-0.86 1.65,0.87, height 0.85
LC-CASE-A_3216 [mm]
  rect 1.8x1.35 smd: 1(1.31,0) 2(-1.31,0)
  silkscreen extent -2.54,-1 2.97,1, body extent -1.7,-0.84 1.7,0.84, height 1.71
LC-CASE-B_3528 [mm]
  rect 1.8x2.6 smd: 1(1.5,0) 2(-1.5,0)
  silkscreen extent -2.73,-1.65 3.16,1.65, body extent -1.85,-1.47 1.85,1.46, height 2.03
LC-DBS [mm]
  rect 2.3x1.6 smd: 1(4.5,-2.55) 2(-4.5,2.55) 3(4.5,2.55) 4(-4.5,-2.55)
  silkscreen extent -5,-4.3 3,4.3
LC-LL-34 [mm]
  rect 0.9x1.5 smd: 1(1.75,0) 2(-1.75,0)
  silkscreen extent -1.8,-1.08 1.8,1.08
LC-LQFP-32_7x7x08P [mm]
  oval 0.48x1.65 smd: 1(-2.8,-4.175) 2(-2,-4.175) 3(-1.2,-4.175) 4(-0.4,-4.175) 5(0.4,-4.175) 6(1.2,-4.175) 7(2,-4.175) 8(2.8,-4.175) 17(2.8,4.175) 18(2,4.175) 19(1.2,4.175) 20(0.4,4.175) 21(-0.4,4.175) 22(-1.2,4.175) 23(-2,4.175) 24(-2.8,4.175)
  oval 1.65x0.48 smd: 9(4.175,-2.8) 10(4.175,-2) 11(4.175,-1.2) 12(4.175,-0.4) 13(4.175,0.4) 14(4.175,1.2) 15(4.175,2) 16(4.175,2.8) 25(-4.175,2.8) 26(-4.175,2) 27(-4.175,1.2) 28(-4.175,0.4) 29(-4.175,-0.4) 30(-4.175,-1.2) 31(-4.175,-2) 32(-4.175,-2.8)
  silkscreen extent -3.75,-4.45 2.95,2.95
LC-LQFP-44_10x10x08P [mm]
  oval 0.45x1.6 smd: 1(-4,-5.65) 2(-3.2,-5.65) 3(-2.4,-5.65) 4(-1.6,-5.65) 5(-0.8,-5.65) 6(0,-5.65) 7(0.8,-5.65) 8(1.6,-5.65) 9(2.4,-5.65) 10(3.2,-5.65) 11(4,-5.65) 23(4,5.65) 24(3.2,5.65) 25(2.4,5.65) 26(1.6,5.65) 27(0.8,5.65) 28(0,5.65) 29(-0.8,5.65) 30(-1.6,5.65) 31(-2.4,5.65) 32(-3.2,5.65) 33(-4,5.65)
  oval 1.6x0.45 smd: 12(5.65,-4) 13(5.65,-3.2) 14(5.65,-2.4) 15(5.65,-1.6) 16(5.65,-0.8) 17(5.65,0) 18(5.65,0.8) 19(5.65,1.6) 20(5.65,2.4) 21(5.65,3.2) 22(5.65,4) 34(-5.65,4) 35(-5.65,3.2) 36(-5.65,2.4) 37(-5.65,1.6) 38(-5.65,0.8) 39(-5.65,0) 40(-5.65,-0.8) 41(-5.65,-1.6) 42(-5.65,-2.4) 43(-5.65,-3.2) 44(-5.65,-4)
  silkscreen extent -4.95,-5.95 4.45,4.45
LC-LQFP-48_7x7x05P [mm]
  oval 0.28x1.8 smd mask+0.051: 1(-2.75,-4.05) 2(-2.25,-4.05) 3(-1.75,-4.05) 4(-1.25,-4.05) 5(-0.75,-4.05) 6(-0.25,-4.05) 7(0.25,-4.05) 8(0.75,-4.05) 9(1.25,-4.05) 10(1.75,-4.05) 11(2.25,-4.05) 12(2.75,-4.05) 25(2.75,4.05) 26(2.25,4.05) 27(1.75,4.05) 28(1.25,4.05) 29(0.75,4.05) 30(0.25,4.05) 31(-0.25,4.05) 32(-0.75,4.05) 33(-1.25,4.05) 34(-1.75,4.05) 35(-2.25,4.05) 36(-2.75,4.05)
  oval 1.8x0.28 smd mask+0.051: 13(4.05,-2.75) 14(4.05,-2.25) 15(4.05,-1.75) 16(4.05,-1.25) 17(4.05,-0.75) 18(4.05,-0.25) 19(4.05,0.25) 20(4.05,0.75) 21(4.05,1.25) 22(4.05,1.75) 23(4.05,2.25) 24(4.05,2.75) 37(-4.05,2.75) 38(-4.05,2.25) 39(-4.05,1.75) 40(-4.05,1.25) 41(-4.05,0.75) 42(-4.05,0.25) 43(-4.05,-0.25) 44(-4.05,-0.75) 45(-4.05,-1.25) 46(-4.05,-1.75) 47(-4.05,-2.25) 48(-4.05,-2.75)
  silkscreen extent -3.6,-4.42 2.75,2.75
LC-LQFP-64_10x10x05P [mm]
  oval 0.28x1.8 smd mask+0.051: 1(-3.75,-5.55) 2(-3.25,-5.55) 3(-2.75,-5.55) 4(-2.25,-5.55) 5(-1.75,-5.55) 6(-1.25,-5.55) 7(-0.75,-5.55) 8(-0.25,-5.55) 9(0.25,-5.55) 10(0.75,-5.55) 11(1.25,-5.55) 12(1.75,-5.55) 13(2.25,-5.55) 14(2.75,-5.55) 15(3.25,-5.55) 16(3.75,-5.55) 33(3.75,5.55) 34(3.25,5.55) 35(2.75,5.55) 36(2.25,5.55) 37(1.75,5.55) 38(1.25,5.55) 39(0.75,5.55) 40(0.25,5.55) 41(-0.25,5.55) 42(-0.75,5.55) 43(-1.25,5.55) 44(-1.75,5.55) 45(-2.25,5.55) 46(-2.75,5.55) 47(-3.25,5.55) 48(-3.75,5.55)
  oval 1.8x0.28 smd mask+0.051: 17(5.55,-3.75) 18(5.55,-3.25) 19(5.55,-2.75) 20(5.55,-2.25) 21(5.55,-1.75) 22(5.55,-1.25) 23(5.55,-0.75) 24(5.55,-0.25) 25(5.55,0.25) 26(5.55,0.75) 27(5.55,1.25) 28(5.55,1.75) 29(5.55,2.25) 30(5.55,2.75) 31(5.55,3.25) 32(5.55,3.75) 49(-5.55,3.75) 50(-5.55,3.25) 51(-5.55,2.75) 52(-5.55,2.25) 53(-5.55,1.75) 54(-5.55,1.25) 55(-5.55,0.75) 56(-5.55,0.25) 57(-5.55,-0.25) 58(-5.55,-0.75) 59(-5.55,-1.25) 60(-5.55,-1.75) 61(-5.55,-2.25) 62(-5.55,-2.75) 63(-5.55,-3.25) 64(-5.55,-3.75)
  silkscreen extent -4.55,-6.05 4.25,4.25
LC-LQFP-64_10x10x05P_Q2 [mm] "编带PIN1 在 Q2"
  oval 1.8x0.28 smd mask+0.051: 1(-5.55,3.75) 2(-5.55,3.25) 3(-5.55,2.75) 4(-5.55,2.25) 5(-5.55,1.75) 6(-5.55,1.25) 7(-5.55,0.75) 8(-5.55,0.25) 9(-5.55,-0.25) 10(-5.55,-0.75) 11(-5.55,-1.25) 12(-5.55,-1.75) 13(-5.55,-2.25) 14(-5.55,-2.75) 15(-5.55,-3.25) 16(-5.55,-3.75) 33(5.55,-3.75) 34(5.55,-3.25) 35(5.55,-2.75) 36(5.55,-2.25) 37(5.55,-1.75) 38(5.55,-1.25) 39(5.55,-0.75) 40(5.55,-0.25) 41(5.55,0.25) 42(5.55,0.75) 43(5.55,1.25) 44(5.55,1.75) 45(5.55,2.25) 46(5.55,2.75) 47(5.55,3.25) 48(5.55,3.75)
  oval 0.28x1.8 smd mask+0.051: 17(-3.75,-5.55) 18(-3.25,-5.55) 19(-2.75,-5.55) 20(-2.25,-5.55) 21(-1.75,-5.55) 22(-1.25,-5.55) 23(-0.75,-5.55) 24(-0.25,-5.55) 25(0.25,-5.55) 26(0.75,-5.55) 27(1.25,-5.55) 28(1.75,-5.55) 29(2.25,-5.55) 30(2.75,-5.55) 31(3.25,-5.55) 32(3.75,-5.55) 49(3.75,5.55) 50(3.25,5.55) 51(2.75,5.55) 52(2.25,5.55) 53(1.75,5.55) 54(1.25,5.55) 55(0.75,5.55) 56(0.25,5.55) 57(-0.25,5.55) 58(-0.75,5.55) 59(-1.25,5.55) 60(-1.75,5.55) 61(-2.25,5.55) 62(-2.75,5.55) 63(-3.25,5.55) 64(-3.75,5.55)
  silkscreen extent -6.05,-4.25 4.25,4.55